# Altium PCB Electronic Load 20251111.PcbDoc (part 6 of 6)
Units mm, origin at the board's own origin, x right, y up, seen from the top; angles counter-clockwise.
Board outline 206 x 70 mm, 6 copper layers (L1, L2, L3, L4, L5, L6), stack 1.609 mm thick; 684 components, 355 nets, 1727 pads, 802 vias.
Unrouted connection lines stored in the file: 10.
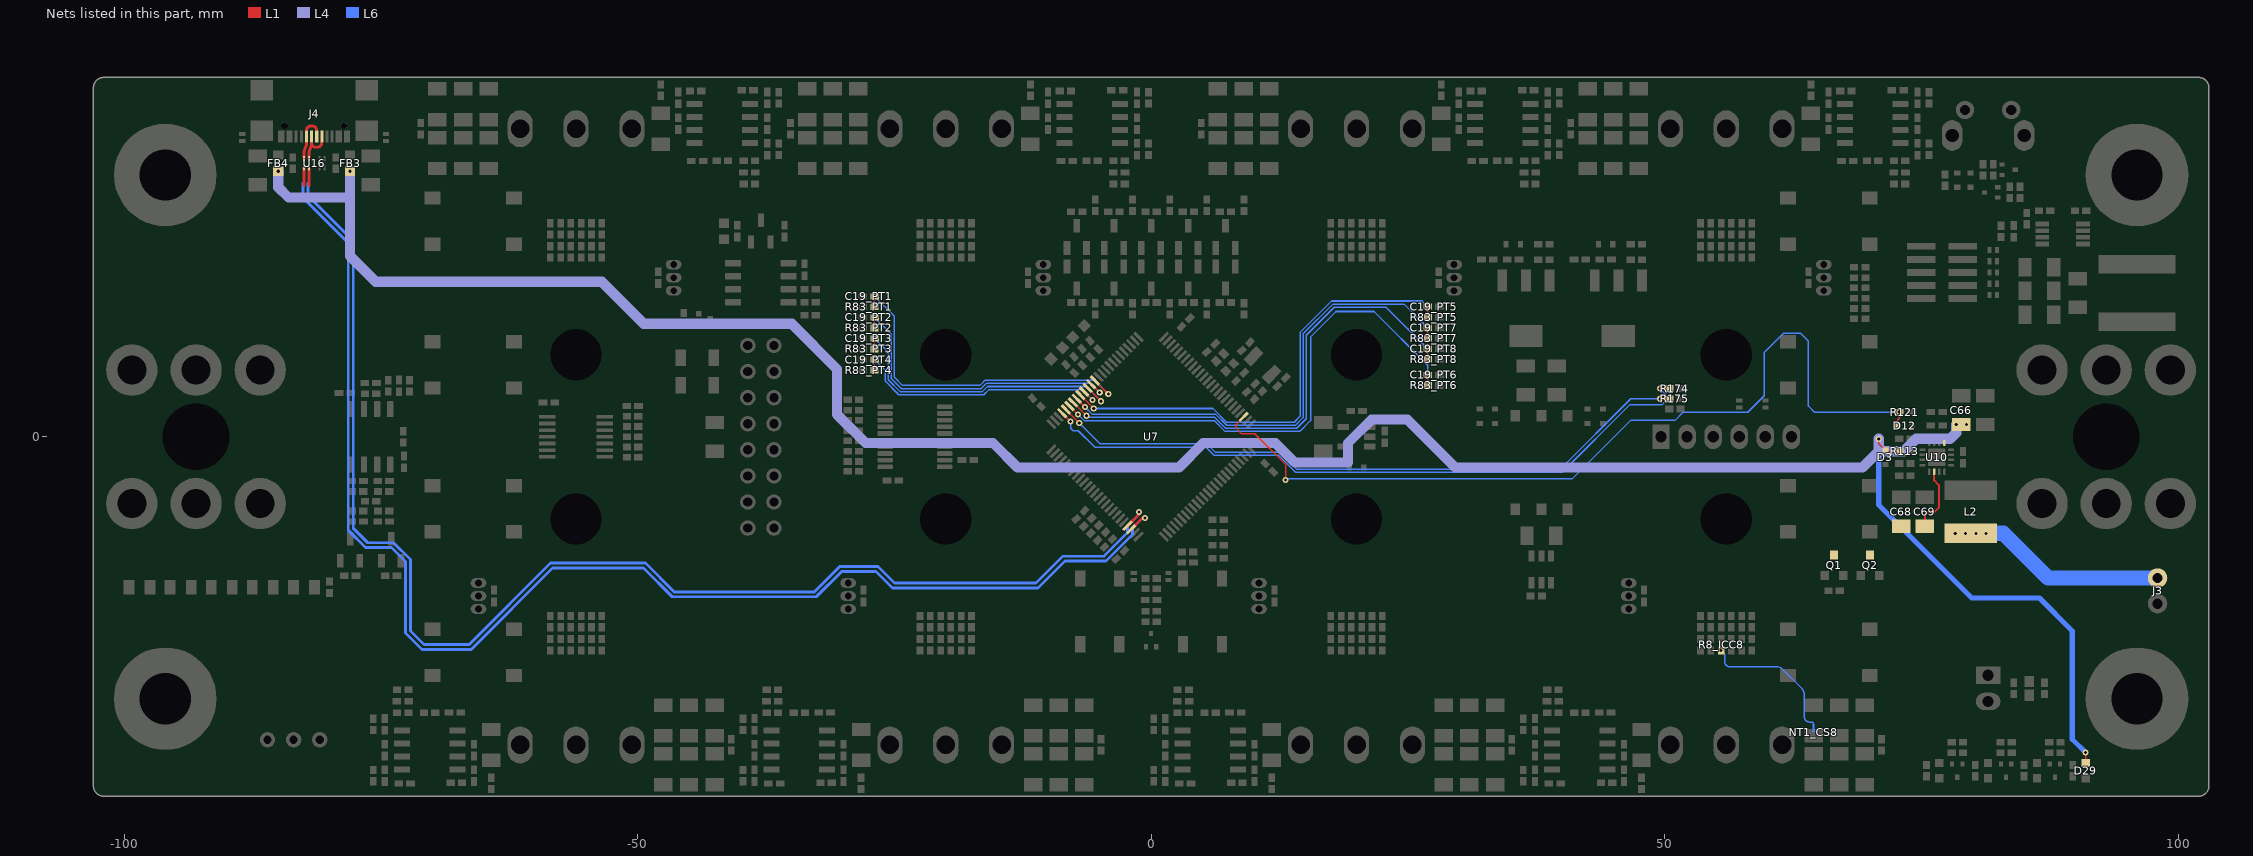
[diagram p10: the nets of this part, all layers, seen from the top]

## Via types
v1: diameter 0.6, hole 0.3, L1 to L6, tented both sides, 802 vias

## Nets (pads, with @x,y where several pads share a name; then routed paths per layer and width w, separated by ;. In a path a pad name is that pad's centre, name@x,y a point inside that pad or via, vN(x,y) a via of type N, cw(c..) or ccw(c..) an arc to the next point about the centre after c; other vN are vias at no path point) (continued)
SHUNT.SH6_CS8_P: NT1_CS8.1 R8_ICC8.2 | length 14.7
  L6 w0.15: v1(55.5,-20.8) 55.791,-21.091 cw(c55.65,-21.233) 55.85,-21.233 55.85,-21.9 ccw(c56.35,-21.9) 56.35,-22.4 60.917,-22.4 cw(c60.917,-23.2) 61.483,-22.634 63.366,-24.517 cw(c62.8,-25.083) 63.6,-25.083 63.6,-27.275 ccw(c64.1,-27.275) 64.1,-27.775 64.3,-27.775 cw(c64.3,-27.975) 64.5,-27.975 NT1_CS8.1@64.5,-28.675
STAT: D12.2 R121.2 U7.3 | length 85.6
  L1 w0.15: U7.3@9.016,1.945 8.3,1.229 8.3,0.8 8.8,0.3 10.1,0.3 13.1,-2.7 v1(13.1,-4.2) ; D12.2@72.7,1.1 72.7,1.655 72.85,1.805 v1(72.85,2.4)
  L6 w0.15: v1(13.1,-4.2) 13.2,-4.1 40.986,-4.1 46.686,1.6 51,1.6 51.8,2.4 58.1,2.4 59.7,4 59.7,8.2 61.6,10.1 63.215,10.1 64,9.315 64,3 64.6,2.4 v1(72.85,2.4)
TEMP.T1: C19_PT1.2 R83_PT1.1 U7.38 | length 33.5
  L1 w0.15: R83_PT1.1@-26.95,12.65 -26.95,13.65 v1(-26.925,13.675) ; U7.38@-5.48,5.48 v1(-4.172,4.172)
  L6 w0.15: v1(-26.925,13.675) -25,11.75 -25,5.8 -24.2,5 -16.673,5 -16.173,5.5 -5.5,5.5 v1(-4.172,4.172)
TEMP.T2: C19_PT2.2 R83_PT2.1 U7.39 | length 30.1
  L1 w0.15: R83_PT2.1@-26.95,10.6 -26.95,11.6 v1(-26.925,11.625) ; U7.39@-5.834,5.127 v1(-5.009,4.302)
  L6 w0.15: v1(-26.925,11.625) -25.3,10 -25.3,5.676 -24.324,4.7 -16.549,4.7 -16.049,5.2 -5.907,5.2 v1(-5.009,4.302)
TEMP.T3: C19_PT3.2 R83_PT3.1 U7.40 | length 29.5
  L1 w0.15: R83_PT3.1@-26.95,8.55 -26.95,9.55 v1(-26.925,9.575) ; U7.40@-6.187,4.773 v1(-4.879,3.464)
  L6 w0.15: v1(-26.925,9.575) -25.6,8.25 -25.6,5.551 -24.449,4.4 -16.424,4.4 -15.924,4.9 -6.314,4.9 v1(-4.879,3.464)
TEMP.T4: C19_PT4.2 R83_PT4.1 U7.41 | length 26.1
  L1 w0.15: R83_PT4.1@-26.95,6.5 -26.95,7.5 v1(-26.925,7.525) ; U7.41@-6.541,4.419 v1(-5.716,3.595)
  L6 w0.15: v1(-26.925,7.525) -25.9,6.5 -25.9,5.427 -24.573,4.1 -16.3,4.1 -15.8,4.6 -6.721,4.6 v1(-5.716,3.595)
TEMP.T5: C19_PT5.2 R83_PT5.1 U7.42 | length 45.8
  L1 w0.15: U7.42@-6.894,4.066 v1(-5.586,2.757) ; v1(26.925,12.675) 26.95,12.65 R83_PT5.1@26.95,11.65
  L6 w0.15: v1(-5.586,2.757) 6.012,2.757 7.343,1.426 13.926,1.426 14.5,2 14.5,10.149 17.576,13.224 26.376,13.224 v1(26.925,12.675)
TEMP.T6: C19_PT6.2 R83_PT6.1 U7.45 | length 49.7
  L1 w0.15: U7.45@-7.955,3.005 v1(-7.131,2.181) ; v1(26.925,6.025) 26.95,6 R83_PT6.1@26.95,5
  L6 w0.15: v1(-7.131,2.181) -6.526,1.576 6.15,1.576 7.2,0.526 14.474,0.526 15.524,1.576 15.524,9.724 18,12.2 21.702,12.2 26.925,6.977 v1(26.925,6.025)
TEMP.T7: C19_PT7.2 R83_PT7.1 U7.43 | length 46.9
  L1 w0.15: U7.43@-7.248,3.712 v1(-6.424,2.888) ; v1(26.925,10.625) 26.95,10.6 R83_PT7.1@26.95,9.6
  L6 w0.15: v1(-6.424,2.888) -5.75,2.215 6.28,2.215 7.368,1.126 14.05,1.126 14.8,1.876 14.8,10.024 17.7,12.924 24.626,12.924 v1(26.925,10.625)
TEMP.T8: C19_PT8.2 R83_PT8.1 U7.44 | length 47.9
  L1 w0.15: U7.44@-7.601,3.359 v1(-6.293,2.05) ; v1(26.925,8.575) 26.95,8.55 R83_PT8.1@26.95,7.55
  L6 w0.15: v1(-6.293,2.05) -6.138,1.895 6.169,1.895 7.239,0.826 14.174,0.826 15.1,1.751 15.1,9.9 17.824,12.624 22.876,12.624 v1(26.925,8.575)
UART.RXD: R175.2 U7.46 | length 64
  L1 w0.15: U7.46@-8.308,2.652 v1(-7,1.343) ; v1(49.55,3.7) R175.2@50.45,3.7
  L6 w0.15: v1(-7,1.343) -4.962,-0.695 5.439,-0.695 6.261,-1.516 12.516,-1.516 14.146,-3.146 39.854,-3.146 46.7,3.7 v1(49.55,3.7)
UART.TXD: R174.2 U7.47 | length 66.7
  L1 w0.15: U7.47@-8.662,2.298 v1(-7.838,1.474) ; v1(49.55,4.7) R174.2@50.45,4.7
  L6 w0.15: v1(-7.838,1.474) -7.838,0.838 -7.6,0.6 -7.1,0.6 -5.497,-1.003 5.316,-1.003 6.113,-1.8 12.4,-1.8 ; 12.4,-1.8 14.046,-3.446 40.04,-3.446 46.586,3.1 49.743,3.1 50.05,3.407 50.05,4.2 v1(49.55,4.7)
USB.D_N: J4.A7 J4.B7 U7.72 U16.2 U16.9 | length 138.1
  L1 w0.276: -82.012,24.5 -82.012,26.221 U16.2@-82,26.232 ; U16.9@-82,27.067 -82.012,27.079 -82.012,27.6 cw(c-81.2,27.6) -81.915,27.984 ccw(c-83.05,28.594) -81.762,28.594 ; J4.A7@-81.762,29.229 -81.762,28.594 ; J4.B7@-80.762,29.229 -80.762,28.594 cw(c-81.162,28.594) -81.162,28.194 -81.362,28.194 cw(c-81.362,28.594) -81.762,28.594 ; U7.72@-2.298,-8.662 -2.281,-8.662 -1.193,-7.574 v1(-1.193,-7.307)
  L6 w0.276: -82.1,24.7 -82.1,23.474 -77.7,19.074 -77.7,-8.9 -76.29,-10.31 -73.758,-10.31 -72.124,-11.945 -72.124,-18.903 -70.803,-20.224 -66.397,-20.224 -58.474,-12.3 -49.24,-12.3 -46.44,-15.1 -32.8,-15.1 -30.324,-12.624 -26.6,-12.624 -24.984,-14.24 -11.214,-14.24 -8.597,-11.624 -4.602,-11.624 -2.286,-9.307 -2.286,-8.666 -1.193,-7.574 v1(-1.193,-7.307)
USB.D_P: J4.A6 J4.B6 U7.73 U16.1 U16.10 | length 139.9
  L1 w0.276: U16.1@-82.5,26.232 -82.488,26.221 -82.488,24.5 ; U16.10@-82.5,27.067 -82.488,27.079 -82.488,27.6 cw(c-81.2,27.6) -82.335,28.21 ccw(c-83.05,28.594) -82.238,28.594 -82.238,29.864 cw(c-81.838,29.864) -81.838,30.264 -81.662,30.264 cw(c-81.662,29.864) -81.262,29.864 J4.A6@-81.262,29.229 ; U7.73@-1.945,-9.016 -1.945,-8.999 -0.856,-7.911 v1(-0.589,-7.911)
  L6 w0.276: -82.576,24.7 -82.576,23.276 -78.176,18.876 -78.176,-9.097 -76.487,-10.787 -73.956,-10.787 -72.6,-12.142 -72.6,-19.1 -71,-20.7 -66.2,-20.7 -58.276,-12.776 -49.438,-12.776 -46.638,-15.576 -32.603,-15.576 -30.126,-13.1 -26.798,-13.1 -25.181,-14.717 -11.017,-14.717 -8.4,-12.1 -4.404,-12.1 -1.809,-9.505 -1.809,-8.864 -0.856,-7.911 v1(-0.589,-7.911)
VBATT: C68.2 C69.2 J3.1 L2.1 Q1.3 Q2.3 U10.10 | length 24.9
  L1 w0.2: C69.2@75.35,-8.7 75.35,-7.65 75.7,-7.3 76.3,-7.3 76.7,-6.9 76.7,-4.7 76.25,-4.25 U10.10@76.25,-3.4
  L6 w1.5: v1(81.302,-9.4) 83,-9.4 87.35,-13.75 J3.1@98,-13.75
  other v1: 78.302,-9.4 79.302,-9.4 80.302,-9.4
VUSB: C66.2 D3.2 D29.A FB3.2 FB4.2 R113.2 U10.1 | length 241.2
  L1 w0.15: v1(70.85,-0.2) 70.85,-0.65 D3.2@71.5,-1.3 71.6,-1.4 R113.2@72.85,-1.4 ; D29.A@91,-31.75 v1(91,-30.75)
  L4 w1: v1(-85,25.86) -85,24.3 -84,23.3 -78,23.3 ; v1(-78,25.86) -78,23.3 ; v1(70.85,-0.2) 70.85,-1.4 ; v1(78.4,1.2) 78.4,0.4 77.8,-0.2 74.5,-0.2 73.3,-1.4 70.85,-1.4 ; -78,23.3 -78,17.6 -75.5,15.1 -53.5,15.1 -49.4,11 -35,11 -30.6,6.6 -30.6,2.2 -27.8,-0.6 -15.4,-0.6 -13,-3 2.686,-3 5.086,-0.6 12.1,-0.6 14,-2.5 19.169,-2.5 19.169,-0.605 21.463,1.689 24.948,1.689 29.637,-3 69.25,-3 70.85,-1.4
  L6 w0.5: v1(70.85,-0.2) 70.85,-6.65 79.9,-15.7 86.5,-15.7 89.7,-18.9 89.7,-29.45 v1(91,-30.75)
  other v1: 79.4,1.2
pads on no net: J1.7 J2.7 J4. J4.A8 J4.B8 J6.2 J6.6 U7.4 U7.7 U7.10 U7.11 U7.19 U7.26 U7.28 U7.29 U7.31 U7.32 U7.33 U7.34 U7.69 U7.71 U7.83 U7.84 U7.85 U7.87 U7.88 U7.89 U7.91 U7.92 U7.93 U18.6 U18.9
copper on no net:
  other v1: 36.25,-33.55

## Polygon pours and split planes (outlines as drawn)
LOAD+ on L3 "NONET_L-01_P-001" (solid, remove dead copper, pour order 1): -89.472,-25.071 ccw(c-84.25,-21.2) -84.25,-27.7 -61.44,-27.7 cw(c-61.44,-29.42) -59.72,-29.42 -59.72,-30.53 ccw(c-58.45,-30.53) -58.45,-31.8 -53.55,-31.8 ccw(c-53.55,-30.53) -52.28,-30.53 -52.28,-29.42 cw(c-50.56,-29.42) -50.56,-27.7 -25.44,-27.7 cw(c-25.44,-29.42) -23.72,-29.42 -23.72,-30.53 ccw(c-22.45,-30.53) -22.45,-31.8 -17.55,-31.8 ccw(c-17.55,-30.53) -16.28,-30.53 -16.28,-29.42 cw(c-14.56,-29.42) -14.56,-27.7 14.56,-27.7 cw(c14.56,-29.42) 16.28,-29.42 16.28,-30.53 ccw(c17.55,-30.53) 17.55,-31.8 22.45,-31.8 ccw(c22.45,-30.53) 23.72,-30.53 23.72,-29.42 cw(c25.44,-29.42) 25.44,-27.7 50.56,-27.7 cw(c50.56,-29.42) 52.28,-29.42 52.28,-30.53 ccw(c53.55,-30.53) 53.55,-31.8 58.45,-31.8 ccw(c58.45,-30.53) 59.72,-30.53 59.72,-22.5 ccw(c53.22,-22.5) 53.22,-16 -77.5,-16 cw(c-77.5,-10.5) -83,-10.5 -83,13.75 cw(c-77.5,13.75) -77.5,19.25 53.22,19.25 ccw(c53.22,25.75) 59.72,25.75 59.72,30.53 ccw(c58.45,30.53) 58.45,31.8 53.55,31.8 ccw(c53.55,30.53) 52.28,30.53 52.28,29.42 cw(c50.56,29.42) 50.56,27.7 25.44,27.7 cw(c25.44,29.42) 23.72,29.42 23.72,30.53 ccw(c22.45,30.53) 22.45,31.8 17.55,31.8 ccw(c17.55,30.53) 16.28,30.53 16.28,29.42 cw(c14.56,29.42) 14.56,27.7 -14.56,27.7 cw(c-14.56,29.42) -16.28,29.42 -16.28,30.53 ccw(c-17.55,30.53) -17.55,31.8 -22.45,31.8 ccw(c-22.45,30.53) -23.72,30.53 -23.72,29.42 cw(c-25.44,29.42) -25.44,27.7 -50.56,27.7 cw(c-50.56,29.42) -52.28,29.42 -52.28,30.53 ccw(c-53.55,30.53) -53.55,31.8 -58.45,31.8 ccw(c-58.45,30.53) -59.72,30.53 -59.72,29.42 cw(c-61.44,29.42) -61.44,27.7 -84.25,27.7 ccw(c-84.25,21.2) -89.472,25.071 -91.582,22.225 cw(c-96,25.5) -96,20 -96.25,20 ccw(c-96.25,13.5) -102.75,13.5 -102.75,-13.5 ccw(c-96.25,-13.5) -96.25,-20 -96,-20 cw(c-96,-25.5) -91.582,-22.225
COM on L2 "NONET_L-01_P-001" (solid, remove dead copper, pour order 0): -102,-35 cw(c-102,-34) -103,-34 -103,34 cw(c-102,34) -102,35 102,35 cw(c102,34) 103,34 103,-34 cw(c102,-34) 102,-35
LOAD- on L4 "NONET_L-01_P-001" (solid, remove dead copper, pour order 2): -103,-34 -103,34 cw(c-102,34) -102,35 102,35 cw(c102,34) 103,34 103,-34 cw(c102,-34) 102,-35 -102,-35 cw(c-102,-34)

## Other copper
L1:
  region net COM: 78,4.65 79.8,4.65 ccw(c79.8,4.9) 80.05,4.9 80.05,7.05 83.75,10.75 85.85,10.75 ccw(c85.85,11) 86.1,11 86.1,19 89.8,19 89.8,16.05 91.15,16.05 91.15,13.5 89.1,13.5 89.1,11.55 87.75,10.2 86.75,10.2 ccw(c86.75,6.5) 84.134,9.116 83.184,8.166 ccw(c85.8,5.55) 82.1,5.55 82.1,2.1 78,2.1
  region net PMID: 67,-13.95 67.8,-13.95 67.8,-12.8 70.5,-12.8 70.5,-13.95 71.3,-13.95 71.3,-12.8 82.7,-12.8 84,-11.5 84,6.5 cw(c86.75,6.5) 86.75,9.25 99.25,9.25 100.5,10.5 100.5,18.5 ccw(c99.25,18.5) 99.25,19.75 92.5,19.75 91.95,20.3 90.05,20.3 90.05,19.85 91.65,19.85 91.65,19.25 99.25,19.25 cw(c99.25,18.5) 100,18.5 100,15.65 91.4,15.65 91.4,13.25 89.35,13.25 89.35,11.446 87.854,9.95 86.75,9.95 ccw(c86.75,6.5) 84.31,8.94 83.36,7.99 ccw(c85.8,5.55) 82.35,5.55 82.35,2.1 cw(c82.1,2.1) 82.1,1.85 80.175,1.85 80.175,0.25 cw(c79.925,0.25) 79.925,0 78.75,0 ccw(c78.75,-1) 77.753,-0.92 cw(c77.504,-0.9) 77.626,-1.118 ccw(c77.65,-1.162) 77.6,-1.162 77.6,-1.32 ccw(c77.65,-1.32) 77.65,-1.37 78.5,-1.37 78.5,-1 cw(c78.75,-1) 78.75,-0.75 79.6,-0.75 79.6,-1.9 80.356,-1.9 82.602,-4.146 82.602,-10.6 77.356,-10.6 75.756,-12.2 67,-12.2
  region net VUSB: 77.13,-0.85 ccw(c77.18,-0.85) 77.18,-0.9 77.504,-0.9 cw(c78.75,-1) 78.75,0.25 79.925,0.25 79.925,1.85 78,1.85 78,0.815 77.13,-0.055
  region net LOAD+: -84.25,-1 -89.127,-1 ccw(c-93,0) -89.127,1 -84.25,1
  region: -101.75,-1 -96.873,-1 cw(c-93,0) -96.873,1 -101.75,1
  region net LOAD+: -101.75,0 -101.75,6.5 cw(c-99.25,6.5) -99.25,9 -86.75,9 cw(c-86.75,6.5) -84.25,6.5 -84.25,0 -89,0 ccw(c-93,0) -97,0
  region net LOAD+: -100.375,-16.7 cw(c-100.375,-15.325) -101.75,-15.325 -101.75,0 -97,0 ccw(c-93,0) -89,0 -84.25,0 -84.25,-6.5 cw(c-86.75,-6.5) -86.75,-9 -96.5,-9 ccw(c-96.5,-11.5) -99,-11.5 -99,-15.325 cw(c-100.375,-15.325)
  region net NetR96_1: -96.625,-16.725 cw(c-96.625,-15.35) -98,-15.35 -98,-13.95 cw(c-96.625,-13.95) -96.625,-12.575 -96.375,-12.575 cw(c-96.375,-13.95) -95,-13.95 -95,-15.35 cw(c-96.375,-15.35) -96.375,-16.725
  region net NetR97_1: -92.625,-16.725 cw(c-92.625,-15.35) -94,-15.35 -94,-13.95 cw(c-92.625,-13.95) -92.625,-12.575 -92.375,-12.575 cw(c-92.375,-13.95) -91,-13.95 -91,-15.35 cw(c-92.375,-15.35) -92.375,-16.725
  region net NetR98_1: -90,-15.35 -90,-13.95 cw(c-88.625,-13.95) -88.625,-12.575 -88.375,-12.575 cw(c-88.375,-13.95) -87,-13.95 -87,-15.35 cw(c-88.375,-15.35) -88.375,-16.725 -88.625,-16.725 cw(c-88.625,-15.35)
  region net NetR99_1: -86,-15.35 -86,-13.95 cw(c-84.625,-13.95) -84.625,-12.575 -84.375,-12.575 cw(c-84.375,-13.95) -83,-13.95 -83,-15.35 cw(c-84.375,-15.35) -84.375,-16.725 -84.625,-16.725 cw(c-84.625,-15.35)
  region net NetC6_2: -82,-15.35 ccw(c-80.625,-15.35) -80.625,-16.725 ccw(c-80.625,-16.525) -80.492,-16.376 cw(c-80.325,-16.19) -80.575,-16.19 -80.575,-13.11 cw(c-80.325,-13.11) -80.492,-12.924 ccw(c-80.625,-12.775) -80.625,-12.575 ccw(c-80.625,-13.95) -82,-13.95
  region net NetQ4_PT2_1: -60.22,-30 -60.22,-31.15 cw(c-61.22,-31.15) -61.22,-32.15 -65.15,-32.15 -65.15,-30.85 -63.85,-30.85 ccw(c-63.85,-29.665) -62.713,-30
  region net NetC14_ICC2_2: -63.35,-27.85 -63.35,-29.665 cw(c-63.85,-29.665) -63.85,-30.165 -65.465,-30.165 -65.65,-30.35 -66.25,-30.35 -66.435,-30.165 -67.55,-30.165 -67.55,-29.565 -66.315,-29.565 -66.25,-29.5 -65.65,-29.5 ccw(c-65.65,-29) -65.15,-29 -65.15,-27.85
  region net NetQ4_PT4_1: -24.22,-30 -24.22,-31.15 cw(c-25.22,-31.15) -25.22,-32.15 -29.15,-32.15 -29.15,-30.85 -27.85,-30.85 ccw(c-27.85,-29.665) -26.713,-30
  region net NetC14_ICC4_2: -27.35,-27.85 -27.35,-29.665 cw(c-27.85,-29.665) -27.85,-30.165 -29.465,-30.165 -29.65,-30.35 -30.25,-30.35 -30.435,-30.165 -31.55,-30.165 -31.55,-29.565 -30.315,-29.565 -30.25,-29.5 -29.65,-29.5 ccw(c-29.65,-29) -29.15,-29 -29.15,-27.85
  region net NetQ4_PT6_1: 15.78,-30 15.78,-31.15 cw(c14.78,-31.15) 14.78,-32.15 10.85,-32.15 10.85,-30.85 12.15,-30.85 ccw(c12.15,-29.665) 13.287,-30
  region net NetC14_ICC6_2: 12.65,-27.85 12.65,-29.665 cw(c12.15,-29.665) 12.15,-30.165 10.535,-30.165 10.35,-30.35 9.75,-30.35 9.565,-30.165 8.45,-30.165 8.45,-29.565 9.685,-29.565 9.75,-29.5 10.35,-29.5 ccw(c10.35,-29) 10.85,-29 10.85,-27.85
  region net NetQ4_PT8_1: 51.78,-30 51.78,-31.15 cw(c50.78,-31.15) 50.78,-32.15 46.85,-32.15 46.85,-30.85 48.15,-30.85 ccw(c48.15,-29.665) 49.287,-30
  region net NetC14_ICC8_2: 48.65,-27.85 48.65,-29.665 cw(c48.15,-29.665) 48.15,-30.165 46.535,-30.165 46.35,-30.35 45.75,-30.35 45.565,-30.165 44.45,-30.165 44.45,-29.565 45.685,-29.565 45.75,-29.5 46.35,-29.5 ccw(c46.35,-29) 46.85,-29 46.85,-27.85
  region net NetQ4_PT7_1: 60.22,30 60.22,31.15 cw(c61.22,31.15) 61.22,32.15 65.15,32.15 65.15,30.85 63.85,30.85 ccw(c63.85,29.665) 62.713,30
  region net NetC14_ICC7_2: 63.35,27.85 63.35,29.665 cw(c63.85,29.665) 63.85,30.165 65.465,30.165 65.65,30.35 66.25,30.35 66.435,30.165 67.55,30.165 67.55,29.565 66.315,29.565 66.25,29.5 65.65,29.5 ccw(c65.65,29) 65.15,29 65.15,27.85
  region net NetQ4_PT5_1: 24.22,30 24.22,31.15 cw(c25.22,31.15) 25.22,32.15 29.15,32.15 29.15,30.85 27.85,30.85 ccw(c27.85,29.665) 26.713,30
  region net NetC14_ICC5_2: 27.35,27.85 27.35,29.665 cw(c27.85,29.665) 27.85,30.165 29.465,30.165 29.65,30.35 30.25,30.35 30.435,30.165 31.55,30.165 31.55,29.565 30.315,29.565 30.25,29.5 29.65,29.5 ccw(c29.65,29) 29.15,29 29.15,27.85
  region net NetQ4_PT3_1: -15.78,30 -15.78,31.15 cw(c-14.78,31.15) -14.78,32.15 -10.85,32.15 -10.85,30.85 -12.15,30.85 ccw(c-12.15,29.665) -13.287,30
  region net NetC14_ICC3_2: -12.65,27.85 -12.65,29.665 cw(c-12.15,29.665) -12.15,30.165 -10.535,30.165 -10.35,30.35 -9.75,30.35 -9.565,30.165 -8.45,30.165 -8.45,29.565 -9.685,29.565 -9.75,29.5 -10.35,29.5 ccw(c-10.35,29) -10.85,29 -10.85,27.85
  region net REGN: 76.63,-0.85 ccw(c76.68,-0.85) 76.68,-0.9 76.82,-0.9 ccw(c76.82,-0.85) 76.87,-0.85 76.87,-0.051 cw(c77.12,-0.051) 76.943,0.126 77.5,0.683 77.5,2.7 76.63,2.7
  region net NetC65_1: 77.252,-6.15 77.252,-4.25 77.426,-4.25 77.62,-4.056 77.62,-2.918 77.6,-2.898 77.6,-2.18 cw(c77.65,-2.18) 77.65,-2.13 78.73,-2.13 78.75,-2.15 80.252,-2.15 82.352,-4.25 82.352,-6.15
  region net NetL1_2: 90.05,16.3 90.05,19 99.25,19 cw(c99.25,18.5) 99.75,18.5 99.75,15.9 91.4,15.9 91.4,16.3
  region net NetC14_ICC1_2: -48.65,27.85 -48.65,29.665 cw(c-48.15,29.665) -48.15,30.165 -46.535,30.165 -46.35,30.35 -45.75,30.35 -45.565,30.165 -44.45,30.165 -44.45,29.565 -45.685,29.565 -45.75,29.5 -46.35,29.5 ccw(c-46.35,29) -46.85,29 -46.85,27.85
  region net NetQ4_PT1_1: -51.78,30 -51.78,31.15 cw(c-50.78,31.15) -50.78,32.15 -46.85,32.15 -46.85,30.85 -48.15,30.85 ccw(c-48.15,29.665) -49.287,30
  region net VBATT: 66.1,-11.95 66.1,-11.05 71.25,-11.05 72.15,-10.15 72.15,-8.05 76.25,-8.05 76.65,-8.45 82.352,-8.45 82.352,-10.35 77.252,-10.35 75.652,-11.95
  region net +5V0: 79.8,4.9 79.8,7.154 83.646,11 85.85,11 85.85,19.25 86.05,19.25 86.1,19.2 87.45,19.2 87.45,19.65 84.55,19.65 84.55,18.75 84.45,18.65 84.45,13.95 83.5,13 81.3,13 78,9.7 78,4.9
  region net NetC2_2: -87.9,26.7 -87.9,28.454 -84.2,28.454 -84.2,29.804 -83.6,29.804 -83.6,28.358 -84.51,27.448 -84.51,26.98 -85.82,26.98 -86.1,26.7
  region net NetC2_2: -79.4,28.358 -79.4,29.804 -78.8,29.804 -78.8,28.454 -75.1,28.454 -75.1,26.7 -76.9,26.7 -77.18,26.98 -78.49,26.98 -78.49,27.448
  region net NetNT1_CS2_2: -41.6,-28.2 -41.6,-31.8 -50.56,-31.8 -50.56,-28.2
  region net NetC14_ICC2_1: -65.65,-30.65 -65.65,-31.5 -66.25,-31.5 -66.315,-31.435 -67.55,-31.435 -67.55,-30.835 -66.435,-30.835 -66.25,-30.65
  region net NetNT1_CS4_2: -5.6,-28.2 -5.6,-31.8 -14.56,-31.8 -14.56,-28.2
  region net NetC14_ICC4_1: -29.65,-30.65 -29.65,-31.5 -30.25,-31.5 -30.315,-31.435 -31.55,-31.435 -31.55,-30.835 -30.435,-30.835 -30.25,-30.65
  region net NetNT1_CS6_2: 34.4,-28.2 34.4,-31.8 25.44,-31.8 25.44,-28.2
  region net NetC14_ICC6_1: 10.35,-30.65 10.35,-31.5 9.75,-31.5 9.685,-31.435 8.45,-31.435 8.45,-30.835 9.565,-30.835 9.75,-30.65
  region net NetNT1_CS8_2: 70.4,-28.2 70.4,-31.8 61.44,-31.8 61.44,-28.2
  region net NetC14_ICC8_1: 46.35,-30.65 46.35,-31.5 45.75,-31.5 45.685,-31.435 44.45,-31.435 44.45,-30.835 45.565,-30.835 45.75,-30.65
  region net NetNT1_CS7_2: 41.6,28.2 41.6,31.8 50.56,31.8 50.56,28.2
  region net NetC14_ICC7_1: 65.65,30.65 65.65,31.5 66.25,31.5 66.315,31.435 67.55,31.435 67.55,30.835 66.435,30.835 66.25,30.65
  region net NetNT1_CS5_2: 5.6,28.2 5.6,31.8 14.56,31.8 14.56,28.2
  region net NetC14_ICC5_1: 29.65,30.65 29.65,31.5 30.25,31.5 30.315,31.435 31.55,31.435 31.55,30.835 30.435,30.835 30.25,30.65
  region net NetNT1_CS3_2: -34.4,28.2 -34.4,31.8 -25.44,31.8 -25.44,28.2
  region net NetC14_ICC3_1: -10.35,30.65 -10.35,31.5 -9.75,31.5 -9.685,31.435 -8.45,31.435 -8.45,30.835 -9.565,30.835 -9.75,30.65
  region net NetC14_ICC1_1: -46.35,30.65 -46.35,31.5 -45.75,31.5 -45.685,31.435 -44.45,31.435 -44.45,30.835 -45.565,30.835 -45.75,30.65
  region net NetNT1_CS1_2: -70.4,28.2 -70.4,31.8 -61.44,31.8 -61.44,28.2
L2:
  pour cut-out: -104,-20.2 -104,20.2 -102.75,20.2 -102.75,19.5 ccw(c-96.25,19.5) -96.25,13 -86.75,13 cw(c-86.75,6.5) -80.25,6.5 -80.25,-6.508 -80.25,-6.5 cw(c-86.75,-6.5) -86.75,-13 -96.25,-13 ccw(c-96.25,-19.5) -102.75,-19.5 -102.75,-20.2
L4:
  pour cut-out: -104,-20.2 -104,20.2 -102.75,20.2 -102.75,19.5 ccw(c-96.25,19.5) -96.25,13 -86.75,13 cw(c-86.75,6.5) -80.25,6.5 -80.25,-6.508 -80.25,-6.5 cw(c-86.75,-6.5) -86.75,-13 -96.25,-13 ccw(c-96.25,-19.5) -102.75,-19.5 -102.75,-20.2
  region net +5V0: -41.6,-0.75 -41.6,-2.05 -43.4,-2.05 -43.4,-0.75
  region net +5V0: 38.75,-8.75 40.05,-8.75 40.05,-10.55 38.75,-10.55
  region net +5V0: 79.8,4.9 78,4.9 78,6.9 79.8,6.9
  region net VUSB: 79.925,1.85 79.925,0.25 78,0.25 78,1.85
L6:
  region net VUSB: 78,1.85 78,0.25 79.925,0.25 79.925,1.85
  region: 34.675,16.275 34.675,14.125 33.725,14.125 33.725,16.275
  region: 45.975,16.275 45.975,14.125 45.025,14.125 45.025,16.275
  region net +19V: 43.675,16.275 43.675,14.125 42.725,14.125 42.725,16.275
  region net -19V: 36.975,16.275 36.975,14.125 36.025,14.125 36.025,16.275
  region net -19V: 37.4,4.75 37.4,3.45 35.6,3.45 35.6,4.75
  region net +19V: 40.4,4.75 40.4,3.45 38.6,3.45 38.6,4.75
  region: 40.4,3.45 40.4,4.75
  region net VBATT: 82.352,-10.35 82.352,-8.45 77.252,-8.45 77.252,-10.35
  region: 82.352,-10.35 82.352,-8.45

## Silkscreen, mask and mechanical layers (free items; w line width, h text height)
Top Overlay:
  lines w0.3: -101,-12 -99,-12 ; -101,12 -99,12 ; -100,-13 -100,-11 ; -100,11 -100,13 ; -98,-12 -96,-12 ; -98,12 -96,12 ; -97,-13 -97,-11 ; -97,11 -97,13 ; -95,-12 -93,-12 ; -95,12 -93,12 ; -94,-13 -94,-11 ; -94,11 -94,13 ; -92,-12 -90,-12 ; -92,12 -90,12 ; -91,-13 -91,-11 ; -91,11 -91,13 ; -89,-12 -87,-12 ; -89,12 -87,12 ; -88,-13 -88,-11 ; -88,11 -88,13 ; -86,-12 -84,-12 ; -86,12 -84,12 ; -85,-13 -85,-11 ; -85,11 -85,13 ; -83,-12 -81,-12 ; -83,-9 -81,-9 ; -83,-6 -81,-6 ; -83,-3 -81,-3 ; -83,0 -81,0 ; -83,3 -81,3 ; -83,6 -81,6 ; -83,9 -81,9 ; -83,12 -81,12 ; -82,-13 -82,-11 ; -82,-10 -82,-8 ; -82,-7 -82,-5 ; -82,-4 -82,-2 ; -82,-1 -82,1 ; -82,2 -82,4 ; -82,5 -82,7 ; -82,8 -82,10 ; -82,11 -82,13 ; 85,-16.5 87,-16.5 ; 85,-13.5 87,-13.5 ; 86,-14.5 86,-12.5 ; 88,-18.874 72,-18.937 72,-11.063 88,-11
  text "ON/OFF" at 86.7,31.316 h1.2
  text "PT1" at -57.914,24 h2
  text "PT3" at -22.342,24 h2
  text "PT5" at 17.658,24 h2
  text "PT7" at 53.658,24 h2
  text "Electronic Load" at -100.5,16.323 h4
  text "Rev A | Nov 2025 | JFOSTER" at -100.3,14.4 h1.2
  text "BK-" at -45.365,8.29 h1.2
  text "DB7" at -33.8,8.29 h1.2
  text "SWD PROG" at 72.675,7.4 h1.2
  text "BK+" at -45.365,5.75 h1.2
  text "DB6" at -33.8,5.75 h1.2
  text "CT" at -44.194,3.21 h1.2
  text "DB5" at -33.8,3.21 h1.2
  text "COM" at -47.502,0.67 h1.2
  text "DB4" at -33.8,0.67 h1.2
  text "+5V0" at -48.519,-1.87 h1.2
  text "DB3" at -33.8,-1.87 h1.2
  text "RS" at -44.068,-4.41 h1.2
  text "DB2" at -33.8,-4.41 h1.2
  text "R/W" at -45.291,-6.864 h1.2
  text "DB1" at -33.8,-6.95 h1.2
  text "E" at -42.943,-9.49 h1.2
  text "DB0" at -33.8,-9.49 h1.2
  text "1S LIPO" at 75.8,-15.75 h1.5
  text "BOOT0" at -7.599,-23.1 h1.2
  text "RST" at 3.532,-23.1 h1.2
  text "3380K" at 74.027,-25.1 h1.2
  text "PT2" at -58.342,-26 h2
  text "PT4" at -22.39,-26 h2
  text "PT6" at 17.705,-26 h2
  text "PT8" at 53.658,-26 h2
  text "LCD CONTRAST" at -89.807,-26.1 h1.2
Board Outline:
  circle w0.25: c96,-25.5 r2.5
  circle w0.25: c96,25.5 r2.5
  circle w0.25: c-96,25.5 r2.5
  circle w0.25: c-96,-25.5 r2.5
  circle w0.25: c-56,8 r2.5
  circle w0.25: c-56,-8 r2.5
  circle w0.25: c20,8 r2.5
  circle w0.25: c20,-8 r2.5
  circle w0.25: c56,-8 r2.5
  circle w0.25: c-20,-8 r2.5
  circle w0.25: c-20,8 r2.5
  circle w0.25: c56,8 r2.5
  lines w0.025: -106,-34 ccw(c-102,-34) -102,-38 102,-38 ccw(c102,-34) 106,-34 106,34 ccw(c102,34) 102,38 -102,38 ccw(c-102,34) -106,34 -106,-34 ; -103,-34 ccw(c-102,-34) -102,-35 102,-35 ccw(c102,-34) 103,-34 103,34 ccw(c102,34) 102,35 -102,35 ccw(c-102,34) -103,34 -103,-34
  text "Stackup JLC061611-7628" at -100.217,-46.034 h5
  text "SIG" at -91.785,-54.2 h5
  text "COM" at -93.879,-61.45 h5
  text "HV" at -91.261,-68.7 h5
  text "RTN" at -92.356,-77.2 h5
  text "COM" at -94.379,-86.2 h5
  text "SIG" at -91.785,-93.7 h5
Keepout Conductive:
  circle w0.15: c-86.75,6.5 r6.5
  circle w0.15: c-86.75,-6.5 r6.5
  circle w0.1: c-56,30 r6.5
Construction:
  lines w0.1: -120,-8 120,-8 ; -120,8 120,8 ; -106,-38 106,38 ; -106,38 106,-38 ; -56,-60 -56,60 ; -56,-8 -20,8 ; -56,8 -20,-8 ; -20,-60 -20,60 ; 20,-60 20,60 ; 56,-60 56,60
Keepout Mechanical:
  lines w0.1: 72,-18.937 72,-11.063 88.602,-11.063 88.602,-18.937 72,-18.937
  text "JST Connector" at 75.345,-15.5 h1
User Interface:
  lines w0.02: -86.39,40.82 -76.61,40.82 ; -85.97,42.5 -77.03,42.5 ; -81.5,42.25 -81.5,42.75 ; -84.39,40.67 cw(c-84.39,42.5) -84.39,44.33 -78.61,44.33 cw(c-78.61,42.5) -78.61,40.67 -84.39,40.67 ; -84.39,40.92 cw(c-84.39,42.5) -84.39,44.08 -78.61,44.08 cw(c-78.61,42.5) -78.61,40.92 -84.39,40.92
  lines w0.1: -85.97,39 -85.97,40 ; -85.97,39.5 -77.03,39.5 ; -81.5,31.654 -81.5,39.5 ; -77.03,39 -77.03,40 ; -49,-30 49,-30 49,30 -49,30 -49,-30
  text "Front Panel Cutout" at -84.685,44.63 h0.5
  text "PCB Top Edge to Button" at 77.245,40.967 h0.5
  text "4.01 mm" at 79.994,40.05 h0.5
  text "PCB Top Edge" at -83.947,40.02 h0.5
Bottom 3D Body:
  circle w0.1: c-56,-8 r1.9
  circle w0.1: c-56,8 r1.9
  circle w0.1: c-20,8 r1.9
  circle w0.1: c-20,-8 r1.9
  circle w0.1: c20,-8 r1.9
  circle w0.1: c20,8 r1.9
  circle w0.1: c56,8 r1.9
  circle w0.1: c56,-8 r1.9
  lines w0.1: -62.545,-23.15 -62.545,-27.45 -60.335,-27.45 -60.335,-23.15 ; -62.545,23.15 -62.545,27.45 -60.335,27.45 -60.335,23.15 ; -57.605,-23.15 -57.605,-27.45 ; -57.605,23.15 -57.605,27.45 ; -54.395,-23.15 -54.395,-27.45 -57.605,-27.45 ; -54.395,23.15 -54.395,27.45 -57.605,27.45 ; -51.665,-23.15 -51.665,-27.45 -49.455,-27.45 -49.455,-23.15 ; -51.665,23.15 -51.665,27.45 -49.455,27.45 ; -45.45,27.795 -41.15,27.795 ; -26.545,-23.15 -26.545,-27.45 -24.335,-27.45 -24.335,-23.15 ; -26.545,23.15 -26.545,27.45 -24.335,27.45 -24.335,23.15 ; -21.605,-23.15 -21.605,-27.45 ; -21.605,23.15 -21.605,27.45 ; -18.395,-23.15 -18.395,-27.45 -21.605,-27.45 ; -18.395,23.15 -18.395,27.45 -21.605,27.45 ; -15.665,-23.15 -15.665,-27.45 -13.455,-27.45 -13.455,-23.15 ; -15.665,23.15 -15.665,27.45 -13.455,27.45 -13.455,23.15 ; 13.455,-23.15 13.455,-27.45 15.665,-27.45 15.665,-23.15 ; 13.455,23.15 13.455,27.45 15.665,27.45 15.665,23.15 ; 18.395,-23.15 18.395,-27.45 ; 18.395,23.15 18.395,27.45 ; 21.605,-23.15 21.605,-27.45 18.395,-27.45 ; 21.605,23.15 21.605,27.45 18.395,27.45 ; 24.335,-23.15 24.335,-27.45 26.545,-27.45 26.545,-23.15 ; 24.335,23.15 24.335,27.45 26.545,27.45 26.545,23.15 ; 49.455,-23.15 49.455,-27.45 51.665,-27.45 51.665,-23.15 ; 49.455,23.15 49.455,27.45 51.665,27.45 51.665,23.15 ; 54.395,-23.15 54.395,-27.45 ; 54.395,23.15 54.395,27.45 ; 57.605,-23.15 57.605,-27.45 54.395,-27.45 ; 57.605,23.15 57.605,27.45 54.395,27.45 ; 60.335,-23.15 60.335,-27.45 62.545,-27.45 62.545,-23.15 ; 60.335,23.15 60.335,27.45 62.545,27.45 62.545,23.15 ; -57.605,-27.45 -57.605,-27.45 ; -57.605,27.45 -57.605,27.45 ; -21.605,-27.45 -21.605,-27.45 ; -21.605,27.45 -21.605,27.45 ; 18.395,-27.45 18.395,-27.45 ; 18.395,27.45 18.395,27.45 ; 54.395,-27.45 54.395,-27.45 ; 54.395,27.45 54.395,27.45 ; -64.05,-23.15 -64.05,-1.85 -47.95,-1.85 -47.95,-23.15 -64.05,-23.15 ; -64.05,1.85 -47.95,1.85 -47.95,23.15 -64.05,23.15 -64.05,1.85 ; -28.05,-23.15 -28.05,-1.85 -11.95,-1.85 -11.95,-23.15 -28.05,-23.15 ; -28.05,1.85 -11.95,1.85 -11.95,23.15 -28.05,23.15 -28.05,1.85 ; 11.95,-23.15 11.95,-1.85 28.05,-1.85 28.05,-23.15 11.95,-23.15 ; 11.95,1.85 28.05,1.85 28.05,23.15 11.95,23.15 11.95,1.85 ; 47.95,-23.15 47.95,-1.85 64.05,-1.85 64.05,-23.15 47.95,-23.15 ; 47.95,1.85 47.95,23.15 64.05,23.15 64.05,1.85 47.95,1.85
Top Courtyard:
  drawing of 336 lines, arcs and shapes, not listed
OL1:
  drawing of 507 lines, arcs and shapes, not listed
OL2:
  lines w0.025: -103,-34 ccw(c-102,-34) -102,-35 102,-35 ccw(c102,-34) 103,-34 103,34 ccw(c102,34) 102,35 -102,35 ccw(c-102,34) -103,34 -103,-34
  lines w0.05: -80.25,-6.508 -80.25,6.5 ccw(c-86.75,6.5) -86.75,13 -96.25,13 cw(c-96.25,19.5) -102.75,19.5 -102.75,20.2 -104,20.2 -104,-20.2 -102.75,-20.2 -102.75,-19.5 cw(c-96.25,-19.5) -96.25,-13 -86.75,-13 ccw(c-86.75,-6.5) -80.25,-6.5
OL3:
  drawing of 151 lines, arcs and shapes, not listed
OL4:
  lines w0.025: -103,-34 ccw(c-102,-34) -102,-35 102,-35 ccw(c102,-34) 103,-34 103,34 ccw(c102,34) 102,35 -102,35 ccw(c-102,34) -103,34 -103,-34
  lines w0.05: -80.25,-6.508 -80.25,6.5 ccw(c-86.75,6.5) -86.75,13 -96.25,13 cw(c-96.25,19.5) -102.75,19.5 -102.75,20.2 -104,20.2 -104,-20.2 -102.75,-20.2 -102.75,-19.5 cw(c-96.25,-19.5) -96.25,-13 -86.75,-13 ccw(c-86.75,-6.5) -80.25,-6.5

## Text inside footprints (layer, text, board x,y; h text height)
J4: Mechanical 100 "Edge of connector" at -75.156,36.216 h1 r180
Q4_PT1: Bottom Courtyard "Thermal Interface" at -53.121,31.774 h0.5
Q4_PT2: Bottom Courtyard "Thermal Interface" at -58.879,-31.774 h0.5 r180
Q4_PT3: Bottom Courtyard "Thermal Interface" at -17.121,31.774 h0.5
Q4_PT4: Bottom Courtyard "Thermal Interface" at -22.879,-31.774 h0.5 r180
Q4_PT5: Bottom Courtyard "Thermal Interface" at 22.879,31.774 h0.5
Q4_PT6: Bottom Courtyard "Thermal Interface" at 17.121,-31.774 h0.5 r180
Q4_PT7: Bottom Courtyard "Thermal Interface" at 58.879,31.774 h0.5
Q4_PT8: Bottom Courtyard "Thermal Interface" at 53.121,-31.774 h0.5 r180
SW2: Top Courtyard "Button Tip" at 83.214,35.473 h0.5 r180; Top Courtyard "Bump" at 82.402,34.533 h0.5 r180